# Altium PCB PCB_FRONT.PcbDoc (part 2 of 3)
Units mm, origin at the board's own origin, x right, y up, seen from the top; angles counter-clockwise.
Board outline 310 x 130 mm, 2 copper layers (Top Layer, Bottom Layer); 320 components, 233 nets, 1212 pads, 650 vias.
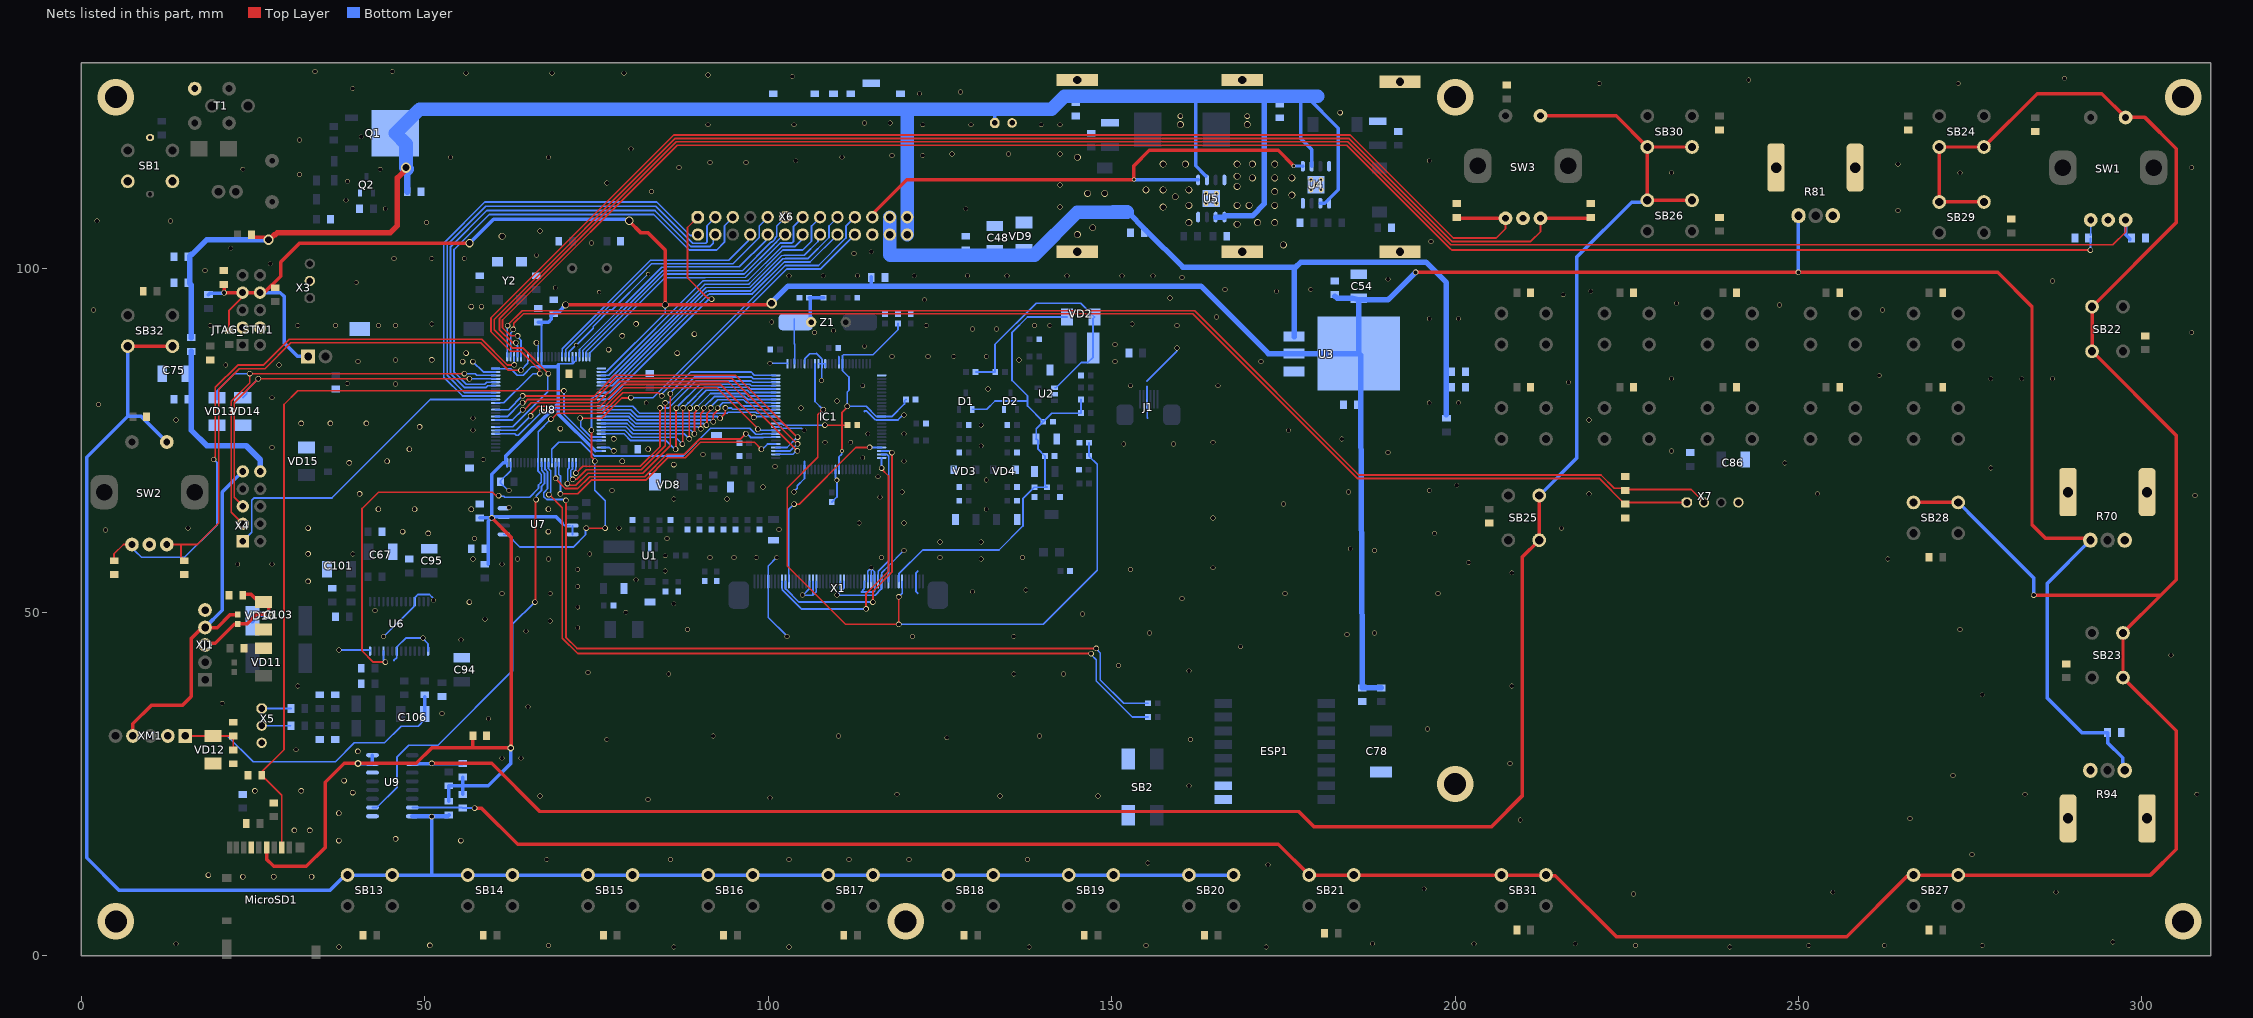
[diagram p2: the nets of this part, all layers, seen from the top]

## Via types
v1: diameter 0.7, hole 0.6, Top Layer to Bottom Layer, tented both sides, 337 vias
v2: diameter 0.8, hole 0.6, Top Layer to Bottom Layer, tented both sides, 249 vias
v3: diameter 1, hole 0.8, Top Layer to Bottom Layer, tented both sides, 37 vias
v4: diameter 5.3, hole 3.2, Top Layer to Bottom Layer, 7 vias
v5: diameter 1.5, hole 1, Top Layer to Bottom Layer, tented both sides, 6 vias
v6: diameter 0.6, hole 0.5, Top Layer to Bottom Layer, tented both sides, 4 vias
v7: diameter 0.6, hole 0.4, Top Layer to Bottom Layer, tented both sides, 3 vias
v8: diameter 1, hole 0.6, Top Layer to Bottom Layer, tented both sides, 3 vias
v9: diameter 1.2, hole 0.9, Top Layer to Bottom Layer, tented both sides, 2 vias
v10: diameter 0.8, hole 0.6, Top Layer to Bottom Layer, tented top, 1 vias
v11: diameter 0.7, hole 0.5, Top Layer to Bottom Layer, tented both sides, 1 vias

## Nets (pads, with @x,y where several pads share a name; then routed paths per layer and width w, separated by ;. In a path a pad name is that pad's centre, name@x,y a point inside that pad or via, vN(x,y) a via of type N, cw(c..) or ccw(c..) an arc to the next point about the centre after c; other vN are vias at no path point) (continued)
+3.3vSTM: C52.2 C54.1 C57.2 C59.2 C61.2 C65.2 C66.2 C77.2 C79.2 C113.1 C114.1 C118.1 FB4.2 FB6.2 J2.1 JTAG_STM1.7 JTAG_STM1.8 MicroSD1.4 R51.1 R52.1 R53.1 R58.2 R70.1 R71.2 R80.2 R81.1 R82.2 R94.1 U3.2 U7.3 U7.7 U7.8 U8.11 U8.20 U8.21 U8.27 U8.50 U8.75 U8.100 U9.15 U9.16 | length 691
  Top Layer w0.254: R51.1@21.5,91 21.5,93.99 JTAG_STM1.7@24.05,96.54
  Top Layer w0.508: C57.2@20.75,97.75 20.76,97.74 20.76,96.53 v2(20.77,96.52) 20.79,96.54 JTAG_STM1.7@23.5,96.54 ; JTAG_STM1.7@24.05,96.54 26.04,96.54 26.59,96.54 29,98.95 29,101 31.75,103.75 v9(56.5,103.75) ; MicroSD1.4@26.95,15.75 26.95,14.05 28,13 32.75,13 35.5,15.75 35.5,25.25 38.25,28 48.75,28 51,30.25 57,30.25 ; C65.2@57,32 57,30.25 ; v2(59.75,63.75) 62.604,60.896 62.604,30.702 62.594,30.692 62.594,30.344 v8(62.5,30.25) 57,30.25 ; v3(70.504,94.75) v3(85,94.75) ; v9(79.75,107) 79.75,106.952 81.468,105.234 82.516,105.234 85,102.75 v3(85,94.75) ; v5(100.5,95) 100.313,95 100.063,94.75 v3(85,94.75) ; v2(194.248,99.5) v2(250,99.5) 279,99.5 284,94.5 284,62.75 286,60.75 292.25,60.75 R70.1@292.5,60.5
  Bottom Layer w0.254: v9@56.399,103.75 v9(56.5,103.75) ; U8.100@59.75,85.5 U8.100@60.3,85.5 60.862,85.5 60.885,85.477 62.523,85.477 63.477,84.523 64.301,84.523 65.528,85.75 66.283,85.75 ; U8.75@61.979,71.241 62,71.262 U8.75@62,71.8 ; U8.11@66.977,86.615 67,86.638 U8.11@67,87.2 ; C113.1@68.518,93.268 C113.1@68.75,93.5 ; 69.406,80.406 69.406,80.5 ; 69.406,86.046 69.533,86.173 71.198,86.173 71.199,86.175 71.509,86.175 ; 70,63 70.385,62.615 U7.7@71.153,62.615 ; U7.8@71.5,61.345 U7.7@71.5,62.615 ; U8.20@71.5,87.2 71.509,87.191 71.509,86.175 ; U8.21@72,87.2 72,86.662 71.511,86.173 71.509,86.175 ; U8.50@75.138,73.5 U8.50@75.7,73.5 ; U8.27@75.7,85 75.709,85.009 76.433,85.009 85,93.575 v3(85,94.75)
  Bottom Layer w0.3: 67,85.75 U8.11@67,87.2 C114.1@67,92.25 ; 74.796,73.5 U8.50@75.138,73.5
  Bottom Layer w0.5: C114.1@66.5,92.25 67,92.25 68,92.25 68.407,92.657 68.407,93.25 68.425,93.268 C113.1@68.518,93.268 ; C113.1@68.75,93.5 69,93.75 69.504,93.75
  Bottom Layer w0.508: R52.1@18.5,96.25 18.714,96.464 20.714,96.464 v2(20.77,96.52) ; JTAG_STM1.8@26.59,96.54 28.96,96.54 29.5,96 29.5,89.25 31.5,87.25 J2.1@33,87.25 ; v8(40.25,28) 40.304,27.946 42.357,27.946 U9.15@42.375,27.928 U9.16@42.375,29.198 ; R58.2@53.5,22.5 R80.2@53.5,24.75 55.5,24.75 ; R71.2@55.5,23.5 55.5,24.75 ; R82.2@55.5,26 55.5,24.75 ; v9(56.5,103.75) 60,107.25 79.106,107.25 79.224,107.132 79.618,107.132 v9(79.75,107) ; C66.2@58,63.75 v2(59.75,63.75) ; FB4.2@59.25,57 59.25,63.25 v2(59.75,63.75) ; v8(62.5,30.25) 62.479,30.229 62.479,27.979 59.25,24.75 55.5,24.75 ; 66.283,85.75 67,85.75 69.406,85.75 ; 69.406,80.5 69.406,85.75 ; 69.406,86.046 69.406,85.75 ; 70,63 69.115,63.885 59.964,63.885 59.829,63.75 v2(59.75,63.75) ; 74.796,73.5 74.786,73.5 69.406,78.88 69.406,80.406 61.75,72.75 61.75,71.8 61.421,71.8 59.75,70.129 v2(59.75,63.75) ; 115,97.5 C79.2@115,98.75 C79.2@115,98.875 ; v2(250,99.5) R81.1@250,107.75 ; R70.1@292.5,60.5 286.25,54.25 286.25,37.5 291.25,32.5 C118.1@295,32.5 295,31 297.195,28.805 297.195,27.305 R94.1@297.5,27
  Bottom Layer w0.6: 69.504,93.75 v3(70.504,94.75)
  Bottom Layer w0.8: v5(100.5,95) 100.5,95.108 102.892,97.5 115,97.5 163,97.5 172.825,87.675 U3.2@176.55,87.675 U3.2@185.975,87.675 ; C59.2@182.5,96 182.871,95.754 185.054,95.754 185.937,95.517 C54.1@186,95.5 ; C52.2@186.246,79.879 186.5,43.752 186.5,43.75 cw(c185.992,43.748) 186.5,43.748 186.5,39.246 C77.2@186.5,39 FB6.2@189.25,39 ; C52.2@186.246,80.025 186.246,87.404 U3.2@185.975,87.675 ; v2(194.248,99.5) 190.399,95.651 cw(c190.038,96.008) 190.038,95.5 186.946,95.5 C54.1@186,95.5 ; U3.2@185.975,87.675 185.999,92.821 185.999,95.054 C54.1@186,95.5
+5v: C48.1 C49.2 C80.1 C82.2 C83.2 FB7.2 L6.1 U3.3 VD9.2 X6.23 X6.24 | length 123.5
  Bottom Layer w0.8: 152.276,108.349 155,105.625 160.375,100.25 176.804,100.25 ; U3.3@176.55,90.155 176.55,99.996 176.804,100.25 ; FB7.2@198.75,78.75 198.75,98 195.75,101 177.554,101 176.804,100.25
  Bottom Layer w2: X6.23@117.7,107.54 X6.24@117.7,105 117.7,102.05 117.75,102 128.75,102 133,102 137.25,102 138.75,102 145,108.25 150.25,108.25 ; 150.251,108.299 152.226,108.299
+12: C51.2 C53.2 C55.2 C56.2 C58.2 C60.2 C62.1 C63.2 C64.2 C73.2 C74.2 C81.1 FB5.2 Q1.3 R100.2 U4.1 U4.2 U4.6 U5.1 U5.2 U5.6 X6.25 X6.26 | length 288.1
  Top Layer w0.508: R100.2@24.75,105 24.75,104.875 24.996,104.629 26.603,104.629 26.982,104.25 v5(27.25,104.25)
  Top Layer w0.8: v5(27.25,104.25) 27.329,104.25 28.079,105 28.25,105 28.5,105.25 44.952,105.25 46.006,106.304 46.006,113.238 47.25,114.482 v5(47.25,114.75)
  Bottom Layer w0.508: 120.15,123.25 120.24,123.16 ; C62.1@133,121.25 133,123.25 ; 162.25,125.135 162.25,115 U5.6@163.737,113.513 ; U5.1@166.405,107.55 166.405,107.688 U5.1@166.447,107.73 ; 176.702,125.135 177.5,124.337 177.5,119 179.115,117.385 U4.6@179.115,114.95 ; 178.25,125 178.385,125.135 ; 178.375,125.125 183,120.5 183,111.53 181.02,109.55 U4.2@180.385,109.55
  Bottom Layer w0.8: FB5.2@16,90 16,97.625 15.75,97.875 15.75,101.875 15.996,102.121 16.121,102.121 18.25,104.25 v5(27.25,104.25) ; U5.2@165.135,107.55 U5.1@166.405,107.55 ; U5.1@166.447,107.73 170.48,107.73 172.25,109.5 172.25,125.135
  Bottom Layer w1: C53.2@47.446,111.25 v5@47.446,114.554
  Bottom Layer w2: v5@47.446,114.554 v5(47.25,114.75) 47.25,118.191 Q1.3@45.691,119.75 45.741,119.75 49.241,123.25 C58.2@114.916,123.25 ; C58.2@115,123.25 120.15,123.25 133,123.25 141.25,123.25 143.135,125.135 162.25,125.135 172.25,125.135 176.702,125.135 178.385,125.135 180,125.135 ; X6.26@120.24,105 X6.25@120.24,107.54 120.24,123.16
+12RB: C75.1 C76.2 FB5.1 X4.10 | length 25
  Bottom Layer w0.8: FB5.1@16,88 16,81 16,76.5 18.25,74.25 24,74.25 26.036,72.214 X4.10@26.036,70.514
AF_AMP_MUTE: U8.91 X4.1 | length 48.1
  Bottom Layer w0.254: X4.1@23.496,60.354 24.809,61.667 24.809,66.309 25.161,66.661 36.485,66.661 50.824,81 U8.91@60.3,81
AUDIO_48K_CLOCK: U8.46 X6.19 | length 58
  Top Layer w0.254: v2(72.612,78.25) 75.75,78.25 78.715,81.215 79.965,81.215 v2(80,81.25)
  Bottom Layer w0.254: v2(72.612,78.25) 72.716,78.146 72.716,77.034 74.241,75.509 75.691,75.509 U8.46@75.7,75.5 ; v2(80,81.25) 83.222,81.25 102.472,100.5 107.315,100.5 111.307,104.492 111.307,106.227 X6.19@112.62,107.54
AUDIO_I2S_CLOCK: U6.25 U8.66 X6.20 | length 121.2
  Top Layer w0.254: v2(44.25,42.75) 42.5,42.75 40.855,44.395 40.855,65.105 43.25,67.5 59.852,67.5 60.352,67 v2(60.727,67) ; v2(68.354,78.146) 68.464,78.146 69.318,79 75.858,79 78.835,81.977 84.023,81.977 v2(84.5,81.5)
  Bottom Layer w0.254: U6.25@43.975,44.359 43.993,44.34 43.993,43.007 v2(44.25,42.75) ; v2(60.727,67) 60.831,66.896 61.489,66.896 61.635,66.75 65.25,66.75 66.546,68.046 66.546,68.541 66.954,68.949 66.954,70.074 66.491,70.537 66.491,71.791 U8.66@66.5,71.8 66.5,76.292 v2(68.354,78.146) ; v2(84.5,81.5) 84.5,81.778 102.722,100 107.62,100 X6.20@112.62,105
CORE_VDD: C8.2 C15.2 C25.2 IC1.17 IC1.38 IC1.60 IC1.86 | length 48.9
  Top Layer w0.254: v2(108.25,77.25) 110.75,77.25 ; v7(110.75,73.5) 110.75,77.25 ; C15.2@111.3,77.25 110.75,77.25 ; v2(111.5,80) 111.5,79.852 110.75,79.102 110.75,77.25
  Bottom Layer w0.254: IC1.86@101.1,77.5 101.109,77.491 101.937,77.491 101.997,77.431 102.036,77.431 102.217,77.25 v2(108.25,77.25) ; IC1.60@110.3,70.8 110.3,72.635 110.684,73.019 110.684,73.434 v7(110.75,73.5) ; C8.2@118.896,92.05 118.896,91.146 115.25,87.5 110.949,87.5 110.8,87.351 110.8,85.2 111.75,84.25 111.75,82.324 111.5,82.074 v2(111.5,80) 114.25,80 115.741,78.509 116.491,78.509 IC1.38@116.5,78.5 118,78.5 119.843,80.343 119.843,80.793 C25.2@120.05,81
"CS AD1": U8.65 U9.10@42.375,21.578 | length 63.7
  Top Layer w0.254: v2(66.014,51.486) 66.104,51.576 66.104,52.451 66.116,52.463 66.116,66.34 v2(66.196,66.42)
  Bottom Layer w0.254: U9.10@42.375,21.578 43,21.578 45.961,24.539 45.961,28.961 47.638,30.638 51.922,30.638 62.75,41.466 62.75,48.25 65.986,51.486 v2(66.014,51.486) ; v2(66.196,66.42) 66.232,66.456 66.232,66.982 67,67.75 67,68.353 67.408,68.761 67.408,70.262 67.009,70.661 67.009,71.791 U8.65@67,71.8
"CS SDCard": MicroSD1.2 R37.1 U8.47 | length 118.8
  Top Layer w0.254: R37.1@26.063,26.563 29.5,30 29.5,80.25 31.5,82.25 70.237,82.25 v2(70.26,82.227) ; R37.1@26.25,26.25 29.15,23.35 MicroSD1.2@29.15,15.75
  Bottom Layer w0.254: v2(70.26,82.227) 70.26,78.847 74.099,75.009 75.691,75.009 U8.47@75.7,75
CS_W25Q16: U7.1 U8.34 | length 38.4
  Top Layer w0.254: v2(73.5,62.25) v2(76.25,62.25) ; v2(74.264,76.514) 74.25,76.5 74.25,72.648 74.75,72.148 v2(74.75,72)
  Bottom Layer w0.254: U7.1@61.5,61.345 62.006,61.345 63.851,59.5 71.583,59.5 73.396,61.312 73.396,62.146 v2(73.5,62.25) ; v2(74.264,76.514) 74.25,76.528 74.25,81 74.75,81.5 U8.34@75.7,81.5 ; v2(74.75,72) 74.75,67.75 76.25,66.25 v2(76.25,62.25)
"CTRL CLK": U8.93 X6.3 | length 73.7
  Bottom Layer w0.254: U8.93@60.3,82 55.75,82 53.25,84.5 53.25,103.5 58.875,109.125 83.625,109.125 89,103.75 90.924,103.75 91.073,103.899 91.073,106.242 92.3,107.469 X6.3@92.3,107.54
"CTRL DATA": U8.95 X6.4 | length 70.2
  Bottom Layer w0.254: U8.95@60.3,83 60.291,82.991 59.179,82.991 58.935,82.748 55.752,82.748 53.75,84.75 53.75,103.25 59,108.5 83.5,108.5 88.75,103.25 91.5,103.25 92.004,103.754 92.004,104.704 X6.4@92.3,105
"CTRL OE": U8.96 X6.5 | length 73
  Bottom Layer w0.254: U8.96@60.3,83.5 60.291,83.491 59.037,83.491 58.747,83.202 56.048,83.202 54.25,85 54.25,102.811 59.368,107.929 83.321,107.929 88.5,102.75 92.5,102.75 93.613,103.863 93.613,106.242 94.84,107.469 X6.5@94.84,107.54
"CTRL RCLK": U8.92 X6.2 | length 69.9
  Bottom Layer w0.254: U8.92@60.3,81.5 55.5,81.5 52.75,84.25 52.75,103.75 58.75,109.75 83.75,109.75 88.628,104.872 89.388,104.872 89.51,104.75 X6.2@89.76,105
DCDC_SYNC: U4.5 U5.5 X6.21 | length 78.4
  Top Layer w0.508: X6.21@115.16,107.54 115.16,107.97 120.19,113 v7(153.25,113) 153.25,115 155.5,117.25 174.25,117.25 v7@176.47,115.03
  Bottom Layer w0.508: v7(153.25,113) 153.268,112.982 162.563,112.982 U5.5@162.595,112.95 ; v7(176.5,115) 176.518,114.982 177.813,114.982 U4.5@177.845,114.95
ENC2_CLK: C120.1 SW1.3 U8.4 | length 266.2
  Top Layer w0.254: v2(63.25,89.25) 63.202,89.298 62.702,89.298 60.858,91.142 60.858,92.75 86.608,118.5 184.358,118.5 199.358,103.5 295.75,103.5 297.63,105.38 SW1.3@297.63,107.125
  Bottom Layer w0.254: v2(63.25,89.25) 63.25,89.102 63.5,88.852 U8.4@63.5,87.2
  Bottom Layer w0.508: SW1.3@297.63,107.125 297.63,104.995 298.25,104.375 C120.1@298.25,104.25
ENC2_DT: C119.2 SW1.1 U8.5 | length 259
  Top Layer w0.254: v2(63.5,90.25) 62.5,90.25 61.312,91.438 61.312,92.562 86.75,118 184.216,118 199.142,103.074 199.176,103.074 199.25,103 199.5,102.75 v2(292.5,102.75)
  Bottom Layer w0.254: v2(63.5,90.25) 63.5,90.102 64,89.602 U8.5@64,87.2 ; v2(292.5,102.75) C119.2@292.5,104.45 ; C119.2@292.5,104.95 292.55,105 SW1.1@292.55,107.125
ENC2_SW: R71.1 SB21.1 SB22.1 SB23.1 SB24.1 SB27.1 SB28.1 SB29.1 SB31.1 SW1.4 U9.7 | length 487.1
  Top Layer w0.508: v2(57.25,21.5) 57.306,21.444 58.306,21.444 63.5,16.25 174.25,16.25 SB21.1@178.75,11.75 SB21.1@185.25,11.75 SB31.1@206.75,11.75 SB31.1@213.25,11.75 213.363,11.637 214.613,11.637 223.5,2.75 257,2.75 265.715,11.465 266.465,11.465 SB27.1@266.75,11.75 SB27.1@273.25,11.75 301.25,11.75 305,15.5 305,32.75 SB23.1@297.25,40.5 SB23.1@297.25,47 302.75,52.5 ; SB28.1@266.75,66 SB28.1@273.25,66 ; SB29.1@277,109.75 SB29.1@270.5,109.75 SB24.1@270.5,117.75 SB24.1@277,117.75 284.75,125.5 294.177,125.5 SW1.4@297.63,122.047 300.453,122.047 305,117.5 305,106.75 SB22.1@292.75,94.5 SB22.1@292.75,88 305,75.75 305,54.75 302.75,52.5 ; v2(284.25,52.5) 302.75,52.5
  Bottom Layer w0.254: U9.7@48.175,21.578 55.422,21.578 R71.1@55.5,21.5 v2(57.25,21.5)
  Bottom Layer w0.508: SB28.1@273.25,66 275.991,63.259 284.25,55 v2(284.25,52.5)
ENC3_CLK: C89.1 SW2.3 U8.7 | length 81.6
  Top Layer w0.254: SW2.3@12.43,59.875 14.375,59.875 14.502,59.748 14.502,58.123 14.875,57.75 C89.1@15,57.75 ; 14.375,59.878 16.878,59.878 20,63 20,82.5 22.977,85.477 26.727,85.477 30.5,89.25 58.142,89.25 62.142,85.25 v2(64,85.25)
  Bottom Layer w0.254: v2(64,85.25) 64.991,86.241 64.991,87.191 U8.7@65,87.2
ENC3_DT: C88.2 SW2.1 U8.3 | length 88.9
  Top Layer w0.254: C88.2@4.75,57.619 4.75,58.5 6.118,59.868 7.343,59.868 SW2.1@7.35,59.875 ; v2(19.25,72.25) 19.25,72.398 19.5,72.648 19.5,82.75 22.75,86 26.5,86 30.25,89.75 58.284,89.75 62.034,86 62.999,86 v2(63.013,86.014)
  Bottom Layer w0.254: SW2.1@7.35,59.875 7.35,59.403 7.835,58.918 7.835,58.915 8.75,58 15,58 19.75,62.75 19.75,71.75 v2(19.25,72.25) ; U8.3@63,87.2 63.006,87.194 63.006,86.021 v2(63.013,86.014)
ENC3_SW: R58.1 SB13.1 SB14.1 SB15.1 SB16.1 SB17.1 SB18.1 SB19.1 SB20.1 SB32.1 SW2.4 U9.8 | length 274.5
  Top Layer w0.508: SB32.1@6.75,88.75 SB32.1@13.25,88.75
  Bottom Layer w0.508: SB32.1@6.75,88.75 6.75,78.55 ; SW2.4@12.43,74.797 8.678,78.55 6.75,78.55 ; v2(51,20.25) 51,11.75 ; SB20.1@167.75,11.75 SB20.1@161.25,11.75 SB19.1@150.25,11.75 SB19.1@143.75,11.75 SB18.1@132.75,11.75 SB18.1@126.25,11.75 SB17.1@115.25,11.75 SB17.1@108.75,11.75 SB16.1@97.75,11.75 SB16.1@91.25,11.75 SB15.1@80.25,11.75 SB15.1@73.75,11.75 SB14.1@62.75,11.75 SB14.1@56.25,11.75 51,11.75 ; 6.75,78.55 0.75,72.55 0.75,14.25 5.5,9.5 36.175,9.5 38.425,11.75 SB13.1@38.75,11.75 SB13.1@45.25,11.75 51,11.75
  Bottom Layer w0.6: U9.8@48.175,20.308 53.308,20.308 R58.1@53.5,20.5
ENC4_CLK: C91.1 SW3.3 U8.83 | length 203.8
  Top Layer w0.254: v2(68,84.75) 64.25,88.5 62.75,88.5 60.092,91.158 60.092,92.626 86.466,119 184.5,119 199.5,104 211,104 212.43,105.43 SW3.3@212.43,107.375 ; C91.1@219.625,107.375 C91.1@219.75,107.5
  Top Layer w0.508: SW3.3@212.43,107.375 C91.1@219.625,107.375
  Bottom Layer w0.254: U8.83@60.3,77 60.309,77.009 62.787,77.009 67.896,82.117 67.896,84.646 v2(68,84.75)
ENC4_DT: C90.2 SW3.1 U8.90 | length 194.4
  Top Layer w0.254: v2(66.75,84.75) 66.702,84.798 66.702,85.298 63.974,88.026 62.474,88.026 59.638,90.862 59.638,92.888 86.25,119.5 184.75,119.5 199.75,104.5 206,104.5 207.35,105.85 SW3.1@207.35,107.375 ; C90.2@200.25,107.5 C90.2@200.375,107.375
  Top Layer w0.508: C90.2@200.375,107.375 SW3.1@207.35,107.375
  Bottom Layer w0.254: U8.90@60.3,80.5 61.5,80.5 65.75,84.75 v2(66.75,84.75)
ENC4_SW: R82.1 SB25.1 SB26.1 SB30.1 SW3.4 U9.2 | length 305.5
  Top Layer w0.508: v2(51,28) 59.75,28 66.75,21 177.25,21 179.5,18.75 205.25,18.75 209.75,23.25 209.75,58 SB25.1@212.25,60.5 SB25.1@212.25,67 ; SW3.4@212.43,122.297 223.452,122.297 SB30.1@228,117.75 ; SB26.1@234.496,109.988 SB26.1@227.996,109.988 227.998,109.99 227.998,117.748 SB30.1@228,117.75 ; SB30.1@234.5,117.75 SB30.1@228,117.75
  Bottom Layer w0.508: U9.2@48.175,27.928 48.193,27.946 55.446,27.946 R82.1@55.5,28 ; SB25.1@212.25,67 217.75,72.5 217.75,101.75 225.703,109.703 227.711,109.703 SB26.1@227.996,109.988
ENC_CLK: C85.2 U8.1@62,87.2 X7.2 | length 191.3
  Top Layer w0.254: v2(62.039,91.75) 62.039,91.789 64.173,93.923 162.077,93.923 186,70 221.25,70 223.172,68.078 224.252,68.078 224.438,67.892 234.358,67.892 X7.2@236.25,66
  Bottom Layer w0.254: U8.1@62,87.2 62.009,87.209 62.009,91.72 v2(62.039,91.75)
ENC_DT: C84.2 U8.2 X7.1 | length 187.9
  Top Layer w0.254: v2(62.88,91.187) 62.959,91.266 62.959,92.067 64.361,93.469 161.781,93.469 185.75,69.5 221,69.5 C84.2@224.75,65.75 ; C84.2@224.75,66 X7.1@233.75,66
  Bottom Layer w0.254: U8.2@62.5,87.2 62.5,90.659 62.88,91.039 v2(62.88,91.187)
ESP_1_RX: R39.2 U8.64 | length 119.8
  Top Layer w0.254: v2(70.537,66.297) 70.537,46.355 72.165,44.727 147.727,44.727 v2(147.75,44.75)
  Bottom Layer w0.254: U8.64@67.5,71.8 67.509,71.791 67.509,70.803 67.862,70.45 67.862,67.987 67.454,67.579 67.454,67.562 67.325,67.433 67.325,66.848 67.751,66.422 70.115,66.422 70.136,66.401 70.433,66.401 v2(70.537,66.297) ; v2(147.75,44.75) 147.75,44.675 148.354,44.07 148.354,40.146 151.75,36.75 R39.2@155.3,36.75
ESP_1_TX: R40.2 U8.63 | length 118.6
  Top Layer w0.254: v2(68.052,67.149) 68.101,67.149 70,65.25 70,46.25 72.25,44 v2(147,44)
  Bottom Layer w0.254: U8.63@68,71.8 68.009,71.791 68.009,70.945 68.316,70.638 68.316,67.56 68.052,67.297 v2(68.052,67.149) ; v2(147,44) 147,43.852 147.75,43.102 147.75,40 153,34.75 R40.2@155.3,34.75
FPGA_BUS_D0: U8.22 X6.10 | length 35.7
  Bottom Layer w0.254: U8.22@72.5,87.2 72.5,87.762 72.523,87.785 72.523,88.273 84.5,100.25 85,100.25 85.046,100.296 95.796,100.296 99.624,104.124 99.624,104.704 X6.10@99.92,105
FPGA_BUS_D1: U8.23 X6.11 | length 39.4
  Bottom Layer w0.254: U8.23@73,87.2 73.009,87.209 73.009,88.117 84.642,99.75 96.25,99.75 100.314,103.814 100.351,103.851 ccw(c99.92,105) 101.069,104.569 101.233,104.733 101.233,106.242 102.46,107.469 X6.11@102.46,107.54
FPGA_BUS_D2: U8.24 X6.12 | length 36.8
  Bottom Layer w0.254: U8.24@73.5,87.2 73.509,87.209 73.509,87.975 84.784,99.25 96.5,99.25 100.849,103.599 ccw(c99.92,105) 101.321,104.071 102.25,105 X6.12@102.46,105
FPGA_BUS_D3: U8.25 X6.13 | length 41
  Bottom Layer w0.254: U8.25@74,87.2 74,87.75 84.852,98.602 84.926,98.676 85.029,98.677 96.688,98.796 101.773,103.773 101.878,103.773 102.445,103.773 ; 102.446,103.773 ccw(c102.46,105) 102.474,103.773 ; 102.475,103.773 103.326,103.773 103.329,103.773 ccw(c103.333,104.127) 103.687,104.127 103.687,106.227 103.761,106.301 X6.13@105,107.54
FPGA_BUS_D4: U8.28 X6.14 | length 38.1
  Bottom Layer w0.254: U8.28@75.7,84.5 75.709,84.509 76.759,84.509 90.486,98.236 97.052,98.308 101.994,103.25 103.069,103.25 103.088,103.25 103.883,103.25 104.445,103.812 105,104.367 X6.14@105,105
FPGA_BUS_D5: U8.29 X6.15 | length 42.9
  Bottom Layer w0.254: U8.29@75.7,84 75.709,84.009 77.009,84.009 90.736,97.736 97.193,97.807 97.266,97.88 102.136,102.75 105,102.75 106.313,104.063 106.313,106.242 107.54,107.469 X6.15@107.54,107.54
FPGA_BUS_D6: U8.30 X6.16 | length 41.1
  Bottom Layer w0.254: U8.30@75.7,83.5 75.709,83.509 77.151,83.509 90.891,97.249 97.348,97.32 101.936,101.908 102.25,102 105.25,102 107.244,103.994 107.244,104.704 X6.16@107.54,105
FPGA_BUS_D7: U8.31 X6.17 | length 45.5
  Bottom Layer w0.254: U8.31@75.7,83 77.284,83 90.936,96.652 91.009,96.725 91.263,96.785 97.467,96.796 97.54,96.87 102.124,101.454 102.5,101.5 105.775,101.5 108.853,104.578 108.853,106.242 110.08,107.469 X6.17@110.08,107.54
FPGA_CLK: U8.17 X6.8 | length 35.8
  Bottom Layer w0.254: U8.17@70,87.2 70,88.392 82.858,101.25 94.25,101.25 97.084,104.084 97.084,104.704 X6.8@97.38,105
FPGA_SYNC: U8.18 X6.9 | length 39.5
  Bottom Layer w0.254: U8.18@70.5,87.2 70.509,87.209 70.509,88.259 83,100.75 94.865,100.75 98.693,104.578 98.693,106.242 99.92,107.469 X6.9@99.92,107.54
GND: C1.1 C2.1 C3.2 C4.1 C5.1 C6.1 C7.1 C8.1 C9.1 C10.1 C11.1 C12.2 C13.2 C14.2 C15.1 C16.1 C17.1 C18.1 C20.1 C21.1 C22.2 C23.1 C24.2 C25.1 C26.1 C27.2 C28.1 C29.1 C32.2 C33.1 C34.1 C35.1 C36.1 C37.1 C38.1 C39.2 C40.1 C41.1 C42.2 C43.1 C44.2 C45.1 C46.2 C47.1 C48.2 C49.1 C50.2 C51.1 C52.1 C53.1 C54.2 C55.1 C56.1 C57.1 C58.1 C59.1 C60.1 C61.1 C62.2 C63.1 C64.1 C65.1 C66.1 C67.2 C68.1 C69.1 C70.1 C71.1 C72.1 C73.1 C74.1 C75.2 C76.1 C77.1 C78.2 C79.1 C80.2 C81.2 C82.1 C83.1 C84.1 C85.1 C86.2 C87.1 C88.1 C89.2 C90.1 C91.2 C92.1 C93.1 C94.2 C95.2 C96.1 C97.1 C100.2 C101.2 C104.2 C105.1 C107.2 C108.1 C109.1 C110.1 C111.1 C112.1 C113.2 C114.2 C115.1 C116.2 C117.2 C118.2 C119.1 C120.2 D2.2 ESP1.9 ESP1.10 G1.2 IC1.1@102.8,86.2 IC1.6 IC1.10 IC1.11 IC1.12 IC1.16 IC1.26 IC1.39 IC1.61 IC1.70 IC1.85 J1.3 JTAG_STM1.3 JTAG_STM1.4 MicroSD1.6 pad.3 pad.4 pad.5 pad.6 pad.7 pad.8 Q2.2 R2.2 R5.1 R6.1 R12.1 R13.2 R16.1 R17.1 R18.2 R20.1 R26.2 R27.1 R28.1 R31.1 R32.1 R35.2 R36.2 R37.2 R38.2 R41.2 R42.2 R43.1 R46.2 R47.2 R50.1 R54.2 R56.1 R57.2 R59.2 R60.2 R61.2 R62.2 R63.2 R64.2 R65.2 R66.2 R67.2 R68.2 R69.2 R70.3 R72.2 R73.2 R74.2 R75.2 R76.2 R77.2 R78.2 R79.2 R81.3 R83.2 R84.2 R85.2 R86.2 R87.2 R88.2 R89.2 R90.2 R91.2 R92.2 R93.2 R94.3 R95.2 R98.1 R99.1 SB1.2 SB1.3 SB2.2 SW1.2 SW2.2 SW3.2 T1.3 U1.2 U2.2 U3.1 U4.4 U4.8 U4.9 U5.4 U5.8 U5.9 U6.11 U6.15 U6.22 U6.28 U7.4 U8.10 U8.19 U8.26 U8.49 U8.74 U8.99 U9.9 U9.14 VD3.1 VD4.2 VD8.1 VD9.1 VD10.1 VD11.1 VD12.1 VD13.1 VD14.1 VD15.1 X1.5 X1.17 X1.18 X1.19 X1.26 X1.27 X1.33 X1.34 X1.35 X1.36 X1.38 X1.40 X1.48 X3.2 X5.3 X6.22 X7.4 XJ1.5 XM1.2 Y2.2 Y2.3 | length 156.1
  Bottom Layer w0.254: v1(37.5,44.5) 41.981,44.5 42.025,44.456 U6.28@42.025,44.359 ; v1(44,46.5) 44.051,46.5 48.377,50.826 48.377,50.86 48.525,51.008 U6.11@48.525,51.559 48.525,52.109 48.673,52.257 48.673,52.291 48.967,52.586 50.683,52.586 51.165,52.104 51.165,51.835 v1(51.25,51.75) ; 45.5,43 45.907,43.407 45.907,44.34 U6.22@45.925,44.359 45.925,44.909 46.073,45.057 46.073,45.091 47.232,46.25 v1(49.75,46.25) 49.75,46.129 50.457,45.423 50.457,44.377 U6.15@50.475,44.359 ; v2(57,86.5) 58.5,85 U8.99@60.3,85 ; v1(62.25,67.75) 62.165,67.835 62.04,67.835 61,68.875 C112.1@61,69 61,69.125 62.491,70.616 62.491,71.791 U8.74@62.5,71.8 ; v2(66.25,89.25) 66.25,89.102 66.5,88.852 U8.10@66.5,87.2 ; U8.19@71,87.2 71.009,87.209 71.009,87.933 71.969,88.894 v6(72.03,88.894) 74.513,91.376 74.513,91.62 76.928,94.036 77.286,94.036 v6(82.5,99.25) ; U8.49@75.7,74 75.709,73.991 76.861,73.991 77.352,73.5 v2(77.5,73.5) ; v1(100.25,86.25) 102.779,86.25 102.8,86.229 IC1.1@102.8,86.2 ; IC1.85@101.1,77 101.109,76.991 101.795,76.991 101.809,76.977 101.848,76.977 102.029,76.796 104.833,76.796 105.129,76.5 v1(105.25,76.5) ; v1(101.25,58) 100,56.75 X1.5@100,54.5 100,49.25 v1(102.75,46.5) ; v1(103.75,67.5) 103.75,67.621 104.207,68.078 104.207,68.414 105.277,69.484 105.277,71.973 105.25,72 ; v1(105,52.5) v1@105.069,52.5 ; IC1.6@105.3,86.2 105.309,86.209 105.309,86.933 106.04,87.665 106.915,87.665 ; X1.17@106,54.5 105.977,54.477 105.977,53.408 v1@105.069,52.5 ; 106.5,52.649 X1.18@106.5,54.5 ; X1.19@107,54.5 107,53 106.5,52.5 v1@105.069,52.5 ; 107,87.725 107.791,86.933 107.791,86.209 IC1.11@107.8,86.2 ; IC1.10@107.291,86.209 IC1.10@107.3,86.2 IC1.11@107.8,86.2 ; v1(107.75,83.75) 107.791,83.791 107.791,86.191 IC1.11@107.8,86.2 ; IC1.12@108.291,85.717 IC1.12@108.291,86.188 ; IC1.12@108.3,86.2 108.291,86.191 IC1.12@108.291,86.188 ; C41.1@109.25,66.05 110.002,66.802 110.002,69.248 v11(110,69.25) 110,69.371 109.809,69.562 109.809,70.791 IC1.61@109.8,70.8 ; 110.25,87.25 110.291,87.209 110.291,86.209 IC1.16@110.3,86.2 ; X1.26@110.5,54.5 110.477,54.477 110.477,53.098 110,52.621 v1(110,52.5) ; X1.27@111,54.5 110.977,54.477 110.977,53.477 v1(110,52.5) ; X1.33@114,54.5 113.977,54.477 113.977,53.408 113.523,52.954 115.372,52.954 115.523,53.105 115.523,54.477 X1.36@115.5,54.5 115.477,54.523 115.477,55.902 115,56.379 X1.35@115,54.5 ; 114,79.25 114.074,79.324 114.284,79.324 115.553,78.055 115.721,78.055 115.767,78.009 116.491,78.009 IC1.39@116.5,78 118.879,78 119.629,78.75 v1(119.75,78.75) ; X1.34@114.477,54.477 X1.34@114.5,54.5 114.5,56 v1(115,56.5) ; X1.40@117.5,54.5 117.5,56.75 ; v1(119.75,59) 117.5,56.75 ; 121.75,52.75 121.523,52.977 121.523,54.477 X1.48@121.5,54.5 121.523,54.523 121.523,55.773 121.75,56 ; 155.127,83.627 159.487,87.987 159.487,88.487 v1(159.5,88.5) ; 155.15,82.921 J1.3@155.15,81.025 155.173,81.002 155.173,78.327 155.25,78.25 ; IC1.11@107.8,86.2 108.279,86.2 IC1.12@108.291,86.188 ; v1(110,52.5) 115.569,52.5 116.477,53.408 116.477,54.477 X1.38@116.5,54.5 116.523,54.523 116.523,55.773 117.5,56.75
  other v1: 37.5,1.25 86.25,1.25 103,1.25 138,1.25 172.5,1.25 240,1.25 68,1.5 155,1.5 226.25,1.5 251.5,1.5 262.5,1.5 276.75,1.5 13.75,1.75 188,1.75 202.75,1.75 217.5,1.75 295.75,2 226,9 255,9.25 287.5,9.25 195.5,9.75 172.75,13.25 155.25,13.5 67.75,14 85.75,14 103,14 111.75,14 120.5,14 137.75,14 275.25,14.75 209.5,19.75 266.25,20 82.5,22.75 100.25,23 66.75,23.25 133.75,23.25 148,23.25 118.75,23.5 283,23.5 308,23.5 161.25,24.75 272.5,26.25 208,28 61.25,28.75 64,28.75 31.25,30 76.5,31.5 161.5,31.5 126,31.75 92,32 110.25,32 139.5,32 196,33 59.25,34.5 52.5,35.25 65,36.25 20.5,36.75 276.75,38 31.5,39.25 208.25,39.25 85.5,41 135.75,41 143,41 73.75,41.25 161.25,41.5 151,42.25 304.25,43.75 168.75,45 55.25,46 121,46.5 135.75,46.5 184.25,46.75 155.5,47 188.25,47 64.75,47.25 88.25,47.5 273.5,47.5 72.25,47.75 68.25,48.75 58.75,49 145.75,49.75 79.25,50 42.75,50.25 72.25,50.75 86.25,51.25 160.25,52 61.25,52.75 68.25,52.75 175.25,52.75 197.5,52.75 129.75,53 137.5,53.25 72.25,53.75 80.75,54.75 208.25,55.75 85,56 72.25,56.25 152.75,56.25 164.75,56.5 22.75,57 27.75,57 61.25,57 202,57.25 57,57.75 63.5,57.75 68,57.75 131,57.75 263,57.75 91.5,58 95,58 98.25,58 116.5,58 125,58 137,58 85,58.25 39.5,58.5 74,58.5 188.25,59 184.75,59.25 125,60.25 131,60.25 57.25,60.75 85.25,60.75 197,61.5 3.5,62 101.55,62.05 15.5,62.25 78.25,62.25 215.5,62.25 113.25,63 119.75,63 164.75,63.75 131.75,65 62.25,65.25 175,65.75 86.25,66.5 94,66.5 116.25,66.75 307.75,67 219.5,67.25 252.75,67.25 119.5,67.5 184.5,67.5 77.25,67.75 196.25,67.75 99.25,68.25 200.25,68.5 131.75,69.25 116,69.75 278,71 101,71.25 248,71.75 119.75,72 58.5,72.25 113.75,72.5 90.5,73 190.25,73.25 231.5,73.5 27.75,74 131,74.25 151.75,74.5 159,74.5 108.25,74.75 112,74.75 164.75,74.75 183.5,75.25 114.5,76 119.75,76 57,76.5 175.75,76.5 131,77.25 13.75,78 219.5,78 57,78.25 104.75,79.75 2.5,80.25 82.25,80.5 196.25,80.5 200.5,80.5 110,80.75 27.75,81.25 132,82.5 113.75,83 152.75,83 165.5,83 45.75,83.25 38.7,83.3 216.5,83.5 231.5,84 278,84 282.5,84 287,84 261.75,84.5 21,86 28.75,86 40.25,86.5 150.5,86.5 171.75,86.5 45.75,86.75 136.5,86.75 118,87.25 123.25,87.25 127,87.25 131.75,87.25 114,88.75 150.5,89 106.75,90.75 307.25,90.75 109.5,91 129.75,91.25 133.25,91.25 18.75,91.75 31.5,91.75 37,91.75 43.25,91.75 45.75,91.75 123,91.75 138.75,91.75 141,91.75 159.5,91.75 51,92 153,92 100.5,92.25 196.25,92.75 200.5,92.75 165.25,93 1.75,94 262.25,94 247.25,94.75 232.25,95 122.75,95.5 158.5,95.75 215.75,96.25 174,96.75 219.75,96.75 166.5,97 179,97 69,97.25 40,98 287,98.25 190.25,98.5 160.25,98.75 103,99 108,99 113,99 121.25,99 129,99 134.75,99 143.5,99 151.5,99 156,99 18,99.75 27.5,100.75 45.5,101.5 51,101.5 55.75,101.5 66.25,102 112.5,102.25 115,102.5 21.75,103 74.25,103.75 196.5,104 66.75,105.5 50.25,106.75 12.959,106.959 2.25,107 264.5,108.5 44.25,108.75 128.75,108.75 142.5,109 38.5,110 83,111.25 142.5,112.196 76.5,112.5 38.75,112.75 31.75,113.75 231.5,114 273.5,114 23.5,114.5 43.5,114.5 87,114.75 307.25,114.75 264.5,115.25 91.5,115.5 96.75,115.5 104,115.75 196.25,115.75 53.75,116.25 68,116.25 110.75,116.25 118,116.5 122.5,116.5 126.75,116.75 135,116.75 142.5,116.75 80,117.5 31.75,118.75 40.75,119.25 91.25,121 103.75,121 122.5,121 129.5,121 139.75,121 142.5,121 114,121.25 117.75,121.25 122,125.5 128,125.75 39.5,126.25 221,127 273.25,127 242.75,127.5 288.75,127.75 103.5,128 91.25,128.25 56,128.5 68.5,128.5 79,128.5 34,128.75 45.25,128.75
  other v2: 50.75,1.5 23.5,11.5 28,11.5 33.5,11.5 18.5,11.75 37.5,16.75 55.25,16.75 45.75,17 31,18.25 33.25,18.25 37.5,20.75 39.5,23.75 25.25,24 32,24 38.25,25.5 40.25,29.75 56.5,51.5 33,54.5 33,58.5 50.5,61.5 46.75,61.75 68,61.75 33,62.25 43.25,65 48.5,65 56.75,65 68,65 40.5,67.25 86.25,71.5 39,71.75 44.5,72 78.75,72 47.75,73.75 82.5,73.75 77.5,75.25 69.75,76.75 49.25,77 32,77.5 36.25,77.5 41.5,77.5 55.5,86.5 56,87.75 86.75,87.75 76.75,88.25 78.75,90.25 89.25,90.5 80.75,92 56.75,94.5 58.25,94.5 160,122.25 169.75,122.25 183.25,122.75
  other v3: 175,103.5 61.25,104.75 145,105 147.25,106 168.25,106.5 161.25,106.75 171.25,106.75 173.75,106.75 157.5,109 161.25,109.25 168.25,109.25 170,109.25 173.75,109.25 159.25,110.5 176.25,110.75 146.5,111 149,111 173.75,111.25 155,111.5 157.5,111.5 161.25,111.5 168.25,112 170.5,113.25 173.75,113.25 176.25,113.25 168.25,113.5 157.5,115.25 160.75,115.25 168.25,115.25 170.5,115.25 173.75,115.25 145,116.25 160,121 169.75,121
  other v4: 5,5 120,5 306,5 200,25 5,125 200,125 306,125
  other v6: 75.373,96.627
  other v10: 51,86.75
IN_ALC: U8.35 X6.1 | length 36.3
  Top Layer w0.254: X6.1@89.76,107.54 88.25,106.03 88.25,98.705 91.205,95.75 91.364,95.75 91.406,95.708 91.648,95.708 v2(91.753,95.604)
  Bottom Layer w0.254: U8.35@75.7,81 75.709,81.009 76.759,81.009 91.255,95.505 91.654,95.505 v2(91.753,95.604)
IN_VG: C30.1 C31.1 L1.1 U2.1 VD2.1 | length 38
  Bottom Layer w0.254: C31.1@130.2,85 C30.1@133.05,85 ; C30.1@133,85.056 133,89 139,95 145.5,95 VD2.1@147.5,93 147.3,92.8 L1.1@147.3,88.5 147.3,87.15 146.527,86.377 145.577,86.377 141.9,82.7 U2.1@141.7,82.7
KEY_IN_DASH: U8.97 VD14.2 X4.5 | length 58.7
  Top Layer w0.254: X4.5@23.496,65.434 23.496,65.505 22.269,66.732 22.269,80.519 v2(25.75,84) v2(56.5,84)
  Bottom Layer w0.254: VD14.2@23.5,81.25 24.082,81.832 24.082,82.332 v2(25.75,84) ; v2(56.5,84) U8.97@60.3,84
KEY_IN_DOT: U8.98 VD13.2 X4.3 | length 66.6
  Top Layer w0.254: X4.3@23.496,62.894 21.815,64.575 21.815,80.707 24.5,83.392 v2(24.5,84.75) v2(55.75,84.75)
  Bottom Layer w0.254: VD13.2@19.75,81 VD13.2@19.75,81.25 19.75,82.25 20.94,83.44 22.25,84.75 v2(24.5,84.75) ; v2(55.75,84.75) 57.313,84.75 57.555,84.509 60.291,84.509 U8.98@60.3,84.5
LCD_AVDD: C19.2 C21.2 C23.2 C26.2 C29.2 D1.1 R15.2 R21.2 VD2.2 X1.43 | length 81.3
  Bottom Layer w0.254: X1.43@119,54.5 119.023,54.523 119.023,55.592 122.51,59.078 133.59,59.078 137.077,62.565 137.077,66.527 C29.2@138.75,68.2 R21.2@140.604,68.2 140.3,68.504 C21.2@140.3,72.75 139.286,73.764 139.286,74.964 C23.2@139,75.25 139.036,75.286 139.036,76.736 C26.2@140.05,77.75 ; D1.1@129.7,79.55 131.8,79.55 133.013,80.763 137.763,80.763 ; VD2.2@143.5,93 137.75,93 135.5,90.75 135.5,83.75 137.763,81.488 137.763,80.763 ; R15.2@145.55,81 C19.2@145.55,79 141.3,79 C26.2@140.05,77.75 ; 137.763,80.763 137.763,80.037 C26.2@140.05,77.75
LCD_CS: IC1.79 U8.88 | length 53.6
  Top Layer w0.254: v2(64.236,81.514) 64.25,81.5 74.652,81.5 77.672,84.52 95.23,84.52 104.236,75.514 v2(104.264,75.514)
  Bottom Layer w0.254: U8.88@60.3,79.5 62.194,79.5 64.208,81.514 v2(64.236,81.514) ; IC1.79@101.1,74 102.722,74 104.236,75.514 v2(104.264,75.514)
LCD_DB0: IC1.82 U8.61 | length 38.6
  Top Layer w0.254: v2(69.043,69.5) 69.043,69.429 70.449,68.023 72.273,68.023 74,69.75 82,69.75 85.25,73 87.75,73 90,75.25 96,75.25 v2(96.75,76)
  Bottom Layer w0.254: U8.61@69,71.8 69.009,71.791 69.009,69.534 v2(69.043,69.5) ; v2(96.75,76) 96.898,76 97.433,75.465 99.252,75.465 99.287,75.5 IC1.82@101.1,75.5
LCD_DB1: IC1.83 U8.62 | length 37.9
  Bottom Layer w0.254: U8.62@68.5,71.8 68.491,71.809 68.491,73.741 69.5,74.75 72.715,74.75 74.715,72.75 87.528,72.75 91.588,76.81 97.308,76.81 98.199,75.919 99.064,75.919 99.145,76 IC1.83@101.1,76
LCD_DB2: IC1.84 U8.81 | length 46.4
  Top Layer w0.254: v2(67,79.25) 67.148,79.25 67.398,79.5 75.716,79.5 78.92,82.704 92.546,82.704 98.5,76.75 v2(98.5,76.646)
  Bottom Layer w0.254: U8.81@60.3,76 63.102,76 63.321,75.781 63.616,75.781 67,79.166 v2(67,79.25) ; v2(98.5,76.646) 98.604,76.542 98.856,76.542 98.898,76.5 IC1.84@101.1,76.5
LCD_DB3: IC1.88 U8.82 | length 45.8
  Top Layer w0.254: v2(65.403,78.597) 65.508,78.701 65.508,79.008 66.5,80 75.5,80 78.658,83.158 93.092,83.158 97.861,78.389 v2(97.889,78.389)
  Bottom Layer w0.254: U8.82@60.3,76.5 63.306,76.5 v2(65.403,78.597) ; v2(97.889,78.389) 97.994,78.494 98.791,78.494 98.797,78.5 IC1.88@101.1,78.5
LCD_DB4: IC1.89 U8.37 | length 25.9
  Bottom Layer w0.254: U8.37@75.7,80 80.25,80 81.25,79 94.028,79 94.144,79.116 98.19,79.116 98.306,79 IC1.89@101.1,79
LCD_DB5: IC1.90 U8.38 | length 27.1
  Top Layer w0.254: v2(93,78.25) 93.75,79 93.75,79.102 v2(93.75,79.75)
  Bottom Layer w0.254: U8.38@75.7,79.5 80,79.5 81,78.5 92.602,78.5 92.852,78.25 v2(93,78.25) ; v2(93.75,79.75) 93.76,79.74 94.658,79.74 94.828,79.57 98.378,79.57 98.448,79.5 IC1.90@101.1,79.5
LCD_DB6: IC1.91 U8.39 | length 28.1
  Top Layer w0.254: v2(92,77.75) 92,78.75 92.52,79.27 92.52,79.623 v2(92.625,79.727)
  Bottom Layer w0.254: U8.39@75.7,79 79.854,79 80.854,78 91.602,78 91.852,77.75 v2(92,77.75) ; v2(92.625,79.727) 93.398,80.5 95.75,80.5 96.226,80.024 98.566,80.024 98.59,80 IC1.91@101.1,80
LCD_DB7: IC1.92 U8.40 | length 28.8
  Top Layer w0.254: v2(91,77.25) 91.08,77.33 91.08,78.905 91.521,79.346 91.521,79.659 v2(91.625,79.764)
  Bottom Layer w0.254: U8.40@75.7,78.5 79.712,78.5 80.712,77.5 90.602,77.5 90.852,77.25 v2(91,77.25) ; v2(91.625,79.764) 91.625,79.912 92.668,80.954 96.392,80.954 96.846,80.5 IC1.92@101.1,80.5
LCD_DB8: IC1.93 U8.41 | length 29.7
  Top Layer w0.254: v2(90.168,76.695) 90.168,78.918 90.521,79.271 90.521,79.644 v2(90.626,79.748)
  Bottom Layer w0.254: U8.41@75.7,78 79.57,78 80.57,77 89.746,77 90.051,76.695 v2(90.168,76.695) ; v2(90.626,79.748) 90.626,79.896 92.138,81.408 96.58,81.408 96.988,81 IC1.93@101.1,81
LCD_DB9: IC1.94 U8.42 | length 30.7
  Top Layer w0.254: v2(89.25,76) 89.25,79 89.521,79.271 89.521,79.646 v2(89.626,79.75)
  Bottom Layer w0.254: U8.42@75.7,77.5 79.428,77.5 80.428,76.5 88.75,76.5 v2(89.25,76) ; v2(89.626,79.75) 89.626,79.898 91.59,81.862 96.768,81.862 97.13,81.5 IC1.94@101.1,81.5
LCD_DB10: IC1.95 U8.43 | length 31.9
  Top Layer w0.254: v2(88.5,75.25) 88.5,79.314 88.521,79.335 88.521,79.631 v2(88.626,79.736)
  Bottom Layer w0.254: U8.43@75.7,77 79.286,77 80.286,76 87.75,76 v2(88.5,75.25) ; v2(88.626,79.736) 88.626,79.883 88.819,80.077 88.819,80.153 90.983,82.316 96.956,82.316 97.272,82 IC1.95@101.1,82
LCD_DB11: IC1.96 U8.44 | length 32.8
  Top Layer w0.254: v2(87.5,74.5) 87.563,74.563 87.563,79.687 v2(87.626,79.75)
  Bottom Layer w0.254: U8.44@75.7,76.5 79.144,76.5 80.144,75.5 86.5,75.5 v2(87.5,74.5) ; v2(87.626,79.75) 87.626,79.764 88.325,80.463 88.338,80.463 90.646,82.77 97.144,82.77 97.414,82.5 IC1.96@101.1,82.5
LCD_DB12: IC1.97 U8.45 | length 33.8
  Top Layer w0.254: v2(86.5,73.75) 86.563,73.813 86.563,79.664 v2(86.626,79.727)
  Bottom Layer w0.254: U8.45@75.7,76 79.002,76 80.002,75 85.124,75 v2@86.459,73.665 ; v2(86.626,79.727) 86.626,79.778 90.072,83.224 97.332,83.224 97.556,83 IC1.97@101.1,83
LCD_DB13: IC1.98 U8.55 | length 39.4
  Top Layer w0.254: v2(71.986,70.264) 72.014,70.264 73,71.25 81.358,71.25 84.25,74.142 v2(84.25,79.75)
  Bottom Layer w0.254: v2@71.75,70.5 71.991,70.741 71.991,71.791 U8.55@72,71.8 ; v2(84.25,79.75) 85.5,79.75 89.428,83.678 97.521,83.678 97.699,83.5 IC1.98@101.1,83.5
LCD_DB14: IC1.99 U8.56 | length 42.2
  Top Layer w0.254: v2(71.541,69.361) 71.555,69.375 72.125,69.375 73.5,70.75 81.5,70.75 85,74.25 v2(85,80.5)
  Bottom Layer w0.254: U8.56@71.5,71.8 71.491,71.791 71.491,70.883 71.25,70.642 71.25,69.8 71.541,69.509 v2(71.541,69.361) ; v2(85,80.5) 85.048,80.548 85.548,80.548 89.25,84.25 97.591,84.25 97.841,84 IC1.99@101.1,84
LCD_DB15: IC1.100 U8.57 | length 44.9
  Top Layer w0.254: v2(70.75,68.75) 70.898,68.75 71.148,68.5 72,68.5 73.75,70.25 81.75,70.25 85.75,74.25 v2(85.75,81.819)
  Bottom Layer w0.254: v2@70.796,69.046 70.796,70.83 70.991,71.025 70.991,71.791 U8.57@71,71.8 ; v2(85.75,81.819) 85.75,81.967 86.302,82.518 86.302,82.552 88.75,85 97.483,85 97.983,84.5 IC1.100@101.1,84.5
LCD_DCLK: IC1.49 X1.37 | length 20
  Bottom Layer w0.254: X1.37@116,54.5 116.023,54.523 116.023,55.995 117.527,57.499 117.527,72.698 117.233,72.991 116.509,72.991 IC1.49@116.5,73
LCD_DE: IC1.50 X1.9 | length 38.4
  Top Layer w0.254: v2(114.25,50.5) 114.25,52.736 117.5,55.986 117.5,69.852 116.5,70.852 v2(116.5,71)
  Bottom Layer w0.254: X1.9@102,54.5 102.023,54.477 102.023,53.266 104.789,50.5 v2(114.25,50.5) ; v2(116.5,71) IC1.50@116.5,72.5
LCD_HSYNC: IC1.47 X1.11 | length 27.7
  Top Layer w0.254: v2(103.75,65.75) 104.5,65.75 112.75,74 v2(114.75,74)
  Bottom Layer w0.254: X1.11@103,54.5 103,65 v2(103.75,65.75) ; v2(114.75,74) IC1.47@116.5,74
LCD_RD: IC1.77 U8.85 | length 53.8
  Top Layer w0.254: v2(64.25,79.5) 64.354,79.604 64.604,79.604 65.5,80.5 75.2,80.5 78.312,83.612 94.138,83.612 v2(104.25,73.5)
  Bottom Layer w0.254: U8.85@60.3,78 62.75,78 v2(64.25,79.5) ; IC1.77@101.1,73 103.602,73 104.102,73.5 v2(104.25,73.5)
LCD_RESET: C3.1 IC1.9 R3.2 X1.44 | length 109.6
  Top Layer w0.254: v2(108,79.5) 107.954,79.5 107.204,78.75 107.204,72.562 102.75,68.108 102.75,56.75 111.25,48.25 v2(119,48.25) v2(119,52.25)
  Bottom Layer w0.254: IC1.9@106.8,86.2 106.8,80.7 v2(108,79.5) ; v2(119,48.25) 140.034,48.25 147.906,56.122 147.906,71.544 R3.2@146.7,72.75 C3.1@146.7,74.696 ; v2(119,52.25) 119.5,52.75 X1.44@119.5,54.5
LCD_RS: IC1.80 U8.60 | length 39.6
  Top Layer w0.254: v2(69.75,67.25) 72.25,67.25 74.25,69.25 82.142,69.25 85.392,72.5 87.892,72.5 90.142,74.75 98,74.75 v2(99,73.75)
  Bottom Layer w0.254: U8.60@69.5,71.8 69.5,70.071 69.77,69.801 69.77,67.502 69.768,67.5 v2@69.75,67.5 ; v2(99,73.75) 99.148,73.75 99.889,74.491 101.091,74.491 IC1.80@101.1,74.5
LCD_VSYNC: IC1.48 X1.10 | length 39.1
  Top Layer w0.254: v2(115.25,51.5) 115.25,53.094 118.001,55.845 v2(118.001,73.251)
  Bottom Layer w0.254: X1.10@102.5,54.5 102.523,54.477 102.523,53.408 104.431,51.5 v2(115.25,51.5) ; IC1.48@116.5,73.5 116.509,73.491 117.614,73.491 117.854,73.251 v2(118.001,73.251)
LCD_WR: IC1.78 U8.86 | length 53.8
  Top Layer w0.254: v2(64.236,80.514) 64.326,80.604 64.604,80.604 65,81 74.794,81 77.86,84.066 94.684,84.066 104.236,74.514 v2(104.264,74.514)
  Bottom Layer w0.254: U8.86@60.3,78.5 62,78.5 63.91,80.41 64.131,80.41 v2(64.236,80.514) ; IC1.78@101.1,73.5 103.222,73.5 104.236,74.514 v2(104.264,74.514)
LHP_OUT: R96.1 X4.9 XJ1.4 XM1.4 | length 53.6
  Top Layer w0.508: XM1.4@7.5,32 7.5,33.75 10.25,36.5 14.75,36.5 16,37.75 16,46.194 17.596,47.79 XJ1.4@18,47.79 18.04,47.75 19.75,47.75 21.675,49.675 22.725,49.675 R96.1@22.75,49.7
  Bottom Layer w0.508: XJ1.4@18,47.79 20.5,50.29 20.5,67.519 X4.9@23.496,70.514
LHP_OUT_DAC: C103.2 R46.1 R96.2 VD10.2 XJ1.3 | length 19.1
  Top Layer w0.508: XJ1.3@18,45.25 18.23,45.48 19.48,45.48 22.275,48.275 22.725,48.275 22.775,48.325 24.126,48.325 25.551,49.75 v2@27,49.75 ; R46.1@23.496,52.5 23.596,52.6 24.75,52.6 25.85,51.5 VD10.2@26.25,51.5 ; VD10.2@26.5,51.5 26.8,51.5 27.25,51.05 v2(27.25,49.75)
  Bottom Layer w0.8: C103.2@24.9,48.75 24.9,49.15 25.5,49.75 v2@27,49.75
LINE_IN1: R44.2 X5.1 | length 4.3
  Bottom Layer w0.254: X5.1@26.25,36 R44.2@30.519,36
LINE_IN2: R45.2 X5.2 | length 4.2
  Bottom Layer w0.254: X5.2@26.25,33.5 R45.2@30.469,33.5
MB_THERM: U8.33 X6.18 | length 43.9
  Bottom Layer w0.254: U8.33@75.7,82 77,82 91.157,96.157 91.452,96.331 97.643,96.331 97.686,96.374 102.312,101 106.08,101 X6.18@110.08,105
MIC: C106.2 C107.1 R49.2 R50.2 VD12.2 XM1.1 | length 51.5
  Top Layer w0.254: XM1.1@15.12,32 R50.2@22.1,32 C107.1@22.1,29.946
  Bottom Layer w0.254: XM1.1@15.12,32 21.25,32 25,28.25 37,28.25 39.75,31 44.125,31 46.543,33.418 49.014,33.418 50,34.404 C106.2@50,34.904
  Bottom Layer w0.508: C106.2@49.904,35.291 C106.2@50,35.196 ; C106.2@50,34.904 R49.2@50,37.709
NetC4_2: C4.2 IC1.3 R4.1 Z1.1 | length 12.3
  Bottom Layer w0.254: IC1.3@103.8,86.2 103.809,86.209 103.809,86.933 103.854,86.979 103.854,89.069 103.8,89.123 Z1.1@103.8,92.7
  Bottom Layer w0.508: Z1.1@106.244,92.25 106.097,92.397 106.097,95.657 C4.2@105.95,95.804 R4.1@108.054,95.804